# KiCad board dilemma.kicad_pcb (continued)
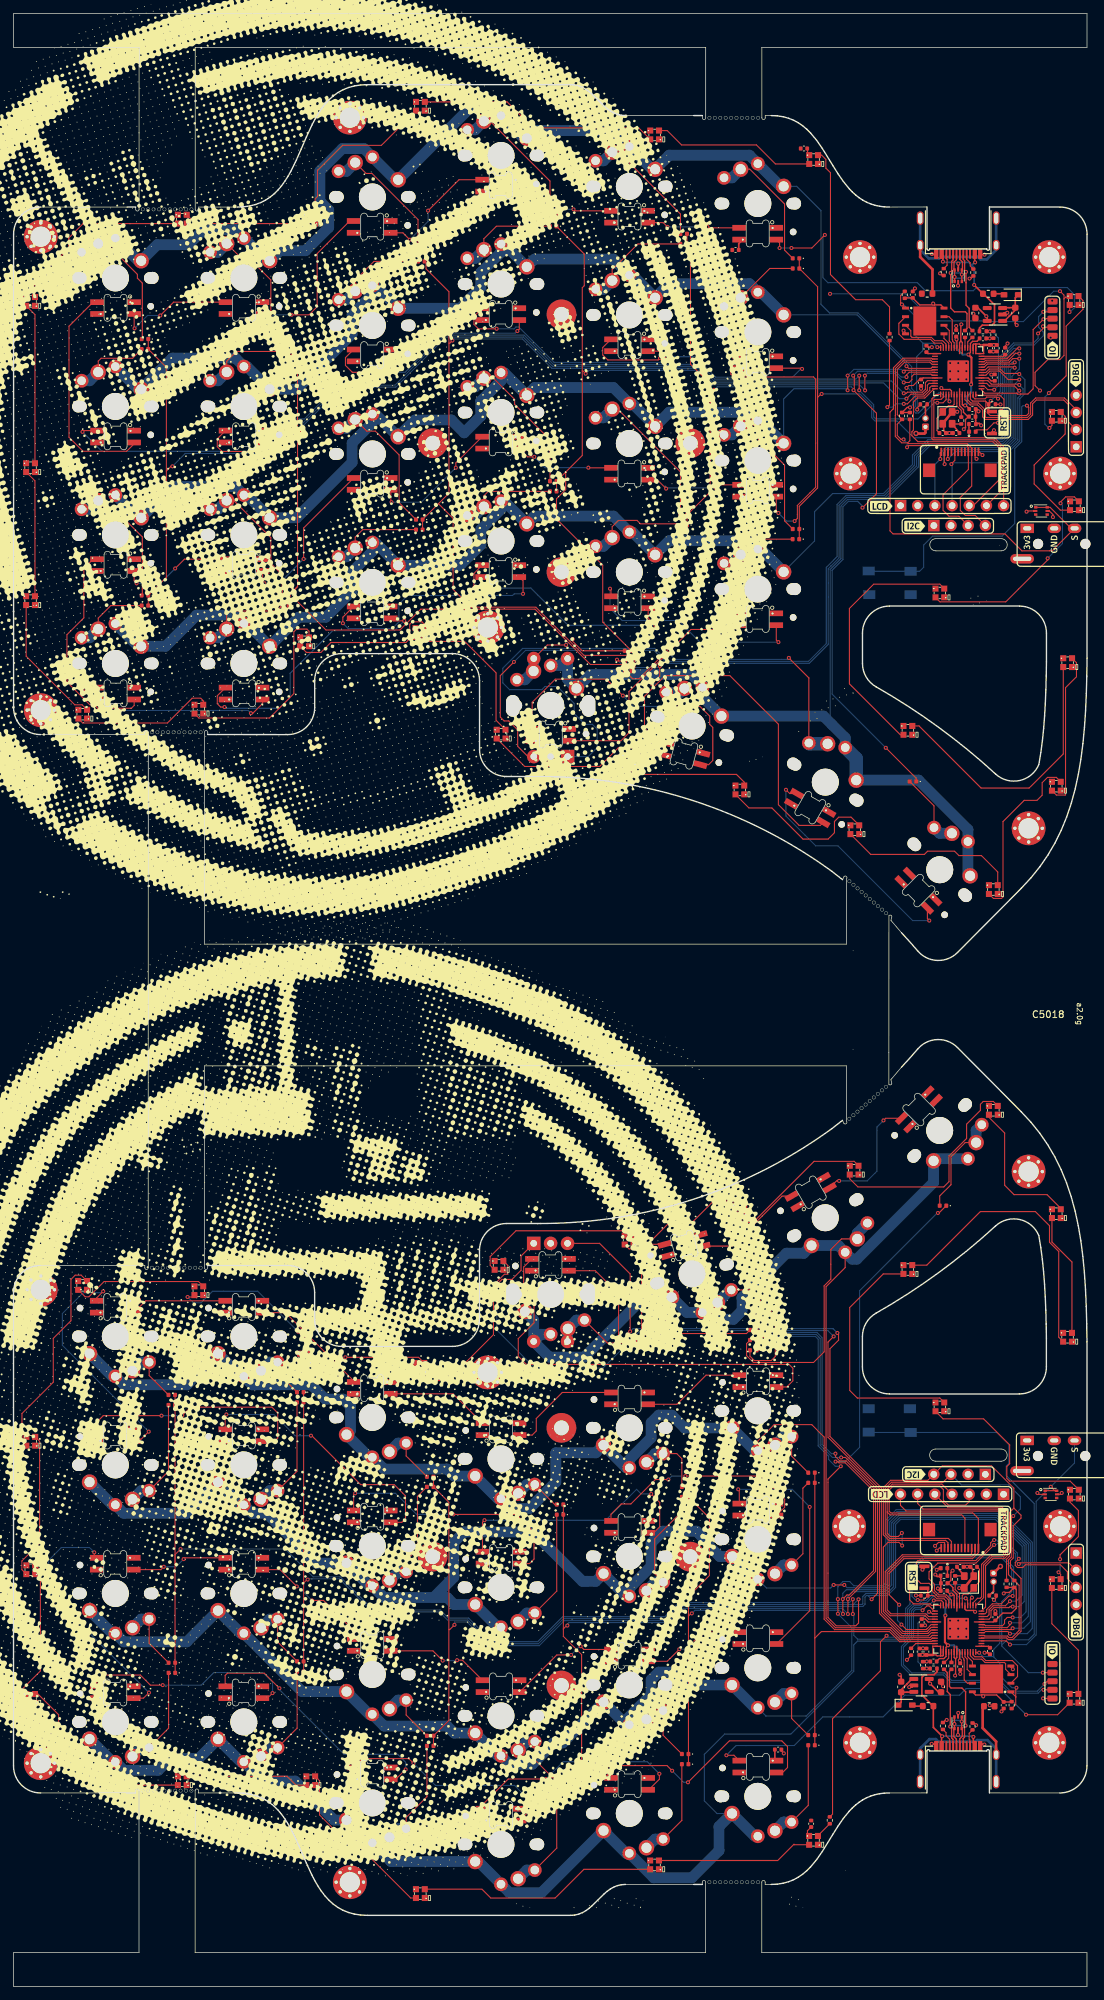
[diagram p0: board, top side]
## Routing (per net, layer and track width the routed paths; a pad name or vN(x,y) marks a point on that pad's centre or on a via; arc(x,y) is an arc through that point) (continued)
M_ROW4: length 191.5
  Top w0.16: 148.72,241.48 148.15,241.48 147.13,240.46 143.76,240.46 143.54,240.23 U1.39
  Bottom w0.16: SW117.1 118.45,213.74 118.45,218.07 121.12,220.74 128.63,220.74 132.92,225.03 132.92,226.44 135.19,228.7 146.11,228.7 146.79,229.38 146.79,240.69 147.57,241.48 148.72,241.48
  Bottom w1.6: SW5031.1 18.42,198.16 SW5031.1 22.47,198.16 27.08,202.77 32.81,202.77 SW103.1 34.51,201.52 SW103.1 42.17,202.46 46.17,202.46 50.07,206.36 50.07,209.2 53.06,212.19 SW106.1 53.51,213.5 SW106.1 66.04,210.14 69.1,213.19 69.1,215.42 72.09,218.41 SW109.1 72.54,219.62 SW109.1 77.04,217.4 88.71,217.4 SW114.1 91.51,215.05 SW114.1 96.96,213.77 108.81,213.77 SW117.1 110.51,212.52 SW117.1
  vias: v1(148.73,241.44)
M_ROW4_L: length 188.3
  Top w0.16: SW5019.1 110.05,80.65 112.47,83.07 118.04,83.07 119.86,81.24 119.86,54.31 121.42,52.76 129.64,52.76 131.13,51.27 135.61,51.27 135.83,51.5 U5002.39
  Bottom w1.6: SW5034.1 14.6,90.21 SW5034.1 16.3,88.96 25.63,88.96 SW5004.1 33.6,90.21 SW5004.1 35.3,88.96 44,88.96 46.13,86.84 48.75,86.84 49.82,85.77 49.82,82.18 SW5008.1 52.6,78.24 SW5008.1 54.79,76.51 64.13,76.51 65.16,75.47 SW5012.1 71.63,72.11 SW5012.1 73.53,70.67 76.28,70.67 80.19,74.58 80.19,78.91 86.1,78.91 SW5016.1 90.6,76.69 SW5016.1 91.05,77.9 94.28,81.12 94.28,83.35 95.41,84.48 97.34,84.48 99.24,82.57 SW5019.1 109.6,79.21 SW5019.1
M_ROW5: length 184.7
  Top w0.16: v1(138.4,234.37) 138.29,234.47 U1.18
  Bottom w0.16: v1(138.4,234.37) 137.16,235.61 136.8,235.61 133.84,232.65 133.42,232.65 133.12,232.95 133.12,233.37 133.34,233.59 133.34,235.73 132.8,236.27 132.8,239.52 124.88,247.45 120.67,247.45 119.4,248.72 119.4,262.57 115.81,266.16 SW5027.1
  Bottom w1.6: SW5027.1 113.42,266.16 108.81,270.77 96.96,270.77 SW5026.1 94.42,268.69 88.71,274.4 77.04,274.4 SW5025.1 75.45,273.26 70.84,277.87 67.61,277.87 SW5024.1 56.42,267.14 51.81,271.75 48.63,271.75 45.3,268.42 45.3,263.97 46.6,262.67 46.6,260.07 43.18,256.65 39.36,256.65 SW5023.1 37.42,255.16 32.81,259.77 28.1,259.77 25.86,257.53 21.24,257.53 SW5028.1 18.42,255.16 SW5028.1
M_ROW5_L: length 192.7
  Top w0.16: U5002.18 141.09,57.1 v1(140.79,57.39)
  Bottom w0.16: SW5039.1 104.02,25.57 102.15,27.44 102.15,34.32 105.15,37.32 114.95,37.32 124.25,46.62 124.25,50.52 124.8,51.07 131.68,51.07 132.5,51.88 132.5,55.66 133.18,56.34 134.03,56.34 134.47,56.78 135.07,56.78 135.93,57.64 136.2,57.64 137.03,58.47 138.88,58.47 139.96,57.39 v1(140.79,57.39)
  Bottom w1.6: SW5039.1 109.6,22.21 SW5039.1 104.32,23.65 104.32,20.09 100.3,16.07 94.67,16.07 SW5038.1 90.6,19.69 SW5038.1 78.06,13.86 73.33,13.86 SW5037.1 68.72,18.47 SW5037.1 55.82,18.47 SW5036.1 52.6,21.24 SW5036.1 47.42,24.6 41.65,30.37 36.9,30.37 SW5035.1 33.6,33.21 SW5035.1 27.37,33.7 23.13,33.7 21.4,31.96 16.3,31.96 SW5040.1 14.6,33.21 SW5040.1
NCS: length 27.2
  Top w0.16: 143.13,237.43 144.07,237.43 144.59,236.92 148.59,236.92 148.71,236.8 ; J113.3 138.15,226.87 138.15,225.83
  Bottom w0.16: 138.15,225.83 139.27,226.94 146.8,226.94 148.51,228.65 148.51,234.87 149.27,235.64 149.27,236.23 148.71,236.8
  vias: v1(138.15,225.85) v1(148.72,236.8)
NCS_L: length 28.3
  Top w0.16: J5007.3 141.68,64.04 141.46,63.83 131.43,63.83 128.9,61.3 128.9,55.55 129.63,54.82 134.79,54.82 135.31,54.3 U5002.32
QP_CS: length 27.8
  Top w0.16: U1.15 136.43,235.4 135.8,234.77 135.8,228.86 135.97,228.69 144.95,228.69 146.12,227.52 146.12,221.21 J3.6
QP_CS_L: length 31.4
  Top w0.16: U5002.15 143.44,57.49 143.44,62.3 144.69,63.54 146.39,63.54 146.68,63.83 146.68,69.98 146.07,70.59 134.51,70.59 133.69,71.41 J5004.6
QP_DC: length 33.5
  Top w0.16: J3.5 141.92,218.96 145.83,222.87 145.83,227.41 144.83,228.4 135.24,228.4 135.24,228.41 133.74,228.41 132.84,229.3 132.84,229.88 133.07,230.11 133.07,234.28 133.66,234.87 134.76,234.87 136.13,236.23 U1.14
QP_DC_L: length 29
  Top w0.16: U5002.14 143.73,56.11 143.73,62.18 144.81,63.26 146.51,63.26 146.97,63.72 146.97,70.1 146.18,70.88 138.13,70.88 J5004.5
QP_RST: length 27.1
  Top w0.16: J3.7 146.4,227.64 145.07,228.98 136.09,228.98 136.09,234.56 136.2,234.67 137.17,234.67 137.49,234.99 U1.16
QP_RST_L: length 34
  Top w0.16: J5004.7 131.15,71.13 131.98,70.31 145.95,70.31 146.39,69.86 146.39,63.95 146.27,63.83 144.57,63.83 143.16,62.42 143.16,57.61 142.94,57.4 142.55,57.4 141.89,56.74 U5002.16
RGB: length 58
  Top w0.16: v1(156.15,247.58) 156.18,247.61 D5109.3 ; D5117.3 113.28,257.79 v1(113.28,257.05) ; v1(115.03,257.05) 118.04,257.05 v1(119.97,258.98)
  Bottom w0.16: v1(119.97,258.98) 119.69,258.69 119.69,252.66 120.43,251.92 133.65,251.92 134.84,250.73 141.91,250.73 142.38,251.2 155.82,251.2 156.87,250.15 156.87,248.22 156.23,247.58 v1(156.15,247.58) ; v1(115.03,257.05) v1(113.28,257.05)
RGB_L: length 59.4
  Top w0.16: D5113.3 154.39,40.18 v1(149.72,40.18) ; D5128.3 106.53,34.18 v1(105.41,34.18)
  Bottom w0.16: v1(105.41,34.18) 106.85,35.63 115.44,35.63 119.67,39.86 128.59,39.86 131.81,43.08 139.91,43.08 140.88,44.05 145.85,44.05 v1(149.72,40.18)
SCL: length 43.8
  Top w0.16: U1.5 135.85,239.83 135.51,240.17 131.76,240.17 130.69,239.1 130.69,232.42 131.39,231.72 R104.2 130.68,230.99 130.68,229.32 131.25,228.74 v1(131.61,228.74) ; v1(132.13,227.59) 132.37,227.83 140.91,227.83 141.19,227.56 J113.9 141.19,224.3 137.45,220.56 137.45,218.27 138.33,217.39 139.79,217.39 O101.3
  Bottom w0.16: v1(132.13,227.59) 132.13,228.22 v1(131.61,228.74)
SCL_L: length 67.4
  Top w0.16: J5007.9 138.68,65.8 138.24,66.25 129.56,66.25 128.9,66.9 128.9,73.63 129.83,74.56 137.45,74.56 O5001.3 ; v1(147.83,69.57) 147.54,69.28 147.54,63.48 147.13,63.07 147.13,60.89 R5014.2 147.99,60.02 148.69,59.32 148.69,52.64 147.64,51.58 147.21,51.58 146.98,51.82 143.62,51.82 143.54,51.9 U5002.5
  Bottom w0.16: v1(147.83,69.57) 148.88,70.62 148.88,72.41 147.12,74.17 140.18,74.17 O5001.3
SDA: length 46.7
  Top w0.16: 132.22,228.23 132.34,228.12 141.03,228.12 141.69,227.46 J113.10 141.69,221.86 140,220.17 140,218.25 140.75,217.5 142.22,217.5 O101.4 ; 132.22,228.23 131.36,228.23 130.39,229.2 130.39,232.29 130.4,232.3 130.4,239.22 131.65,240.46 133.56,240.46 133.57,240.46 135.62,240.46 135.85,240.23 U1.4 ; 132.22,228.23 132.54,228.55 R103.1
SDA_L: length 80.3
  Top w0.16: 147.92,70.74 148.98,69.67 148.98,69.26 147.83,68.11 147.83,63.36 147.42,62.95 147.42,61.89 148.98,60.32 148.98,52.52 147.76,51.3 147.09,51.3 146.86,51.53 143.15,51.53 U5002.4 ; 147.92,70.74 147.92,73.68 144.62,76.98 137.33,76.98 O5001.4 135.2,74.84 129.71,74.84 128.62,73.75 128.62,66.79 129.44,65.96 137.83,65.96 138.18,65.61 J5007.10 ; 147.92,70.74 147.25,70.07 147.25,63.6 146.84,63.19 R5013.1
SERIAL: length 68.1
  Top w0.16: U1.3 135.86,240.63 135.74,240.75 133.78,240.75 133.77,240.75 131.53,240.75 130.12,239.33 130.12,233.26 130.08,233.26 129.61,232.78 129.61,215.22 130.05,214.77 146.6,214.77 149.11,212.27 153.15,212.27 153.17,212.29 153.59,212.29 J102.R2 156.39,215.6 153.28,218.71 U5005.6 U5005.1
SERIAL_L: length 42.8
  Top w0.16: U5006.1 U5006.6 153.96,73.31 v1(153.38,73.89) ; U5002.3 146.79,51.1 v1(147.35,50.55)
  Bottom w0.16: v1(147.35,50.55) 149.78,50.55 151.21,51.98 151.21,71.72 v1(153.38,73.89) 156.89,77.4 J5003.R2
UNDER_RGB: length 18.5
  Top w0.16: v1(129.22,233.52) 129.53,233.83 129.53,243.35 R5016.1 ; U1.13 135.71,236.63 135.48,236.4 135.48,235.99 134.64,235.15 133.33,235.15 132.18,234 v1(131.64,234)
  Bottom w0.16: v1(131.64,234) 130.44,234 129.96,233.52 v1(129.22,233.52)
UNDER_RGB_L: length 70.3
  Top w0.16: R5015.1 121.11,25.49 121.11,39.6 128.19,46.68 128.19,50.95 v1(129.1,51.86) ; U5002.13 143.67,55.1 143.9,55.33 143.9,55.74 144.74,56.58 146.05,56.58 147.2,57.74 v1(147.74,57.74)
  Bottom w0.16: v1(129.1,51.86) 129.32,51.64 131.45,51.64 131.92,52.12 131.92,55.9 132.57,56.54 132.57,61.63 134.61,63.67 146.2,63.67 147.88,61.98 147.88,57.88 v1(147.74,57.74)
Net-(C4-Pad1): length 3.1
  Top w0.2: 140.19,231.02 138.83,231.02
  Top w0.25: Y1.3 C4.1
Net-(C5008-Pad1): length 3.1
  Top w0.2: 139.19,60.71 140.55,60.71
  Top w0.25: Y5001.3 C5008.1
Net-(D1-K): length 1.1
  Top w0.2: 141.28,231.11 141.28,230.01 141.31,229.99
Net-(D2-A): length 1.6
  Top w0.25: F1.2 146.32,250.28 D2.2
Net-(D3-DIN): length 33.4
  Top w0.16: D3.1 119.49,270.78 120.12,270.15 120.12,268.86 120.8,268.18 120.8,253.13 124.53,249.4 128.47,249.4 129.54,248.33 R5016.2
Net-(D3-DOUT): length 24.3
  Top w0.16: D3.3 112.66,269.48 109.85,272.29 98.78,272.29 96.66,274.41 D7.1
Net-(D4-DOUT): length 23.1
  Top w0.16: D4.3 60.1,198.89 66.69,198.89 71.35,194.23 71.35,187.22 D8.1
Net-(D11-DIN): length 35.6
  Top w0.16: D7.3 92.46,274.8 76.84,274.8 72.99,278.65 D11.1
Net-(D11-DOUT): length 24.9
  Top w0.16: D11.3 54.4,272.23 48.66,272.23 44.96,268.53 44.96,264.68 44.61,264.33 D15.1
Net-(D12-DIN): length 24
  Top w0.16: D12.1 91.68,182.8 91.29,183.19 89.47,183.19 86.67,180.39 75.58,180.39 D8.3
Net-(D12-DOUT): length 19.3
  Top w0.16: D9.1 108.05,178.06 106.9,179.22 91.89,179.22 D12.3
Net-(D15-DOUT): length 18.2
  Top w0.16: D15.3 26.91,260.66 D5110.1
Net-(D16-DIN): length 23.9
  Top w0.16: D16.1 123.84,172.9 122.03,172.9 121.39,172.26 121.39,170.59 120.45,169.65 116.74,169.65 112.13,174.26 108.75,174.26 106.75,176.25 D9.3
Net-(D16-DOUT): length 26.4
  Top w0.16: D19.1 145.54,164.79 143.12,167.21 139.8,167.21 139.15,167.86 135.16,167.86 134.69,167.39 126.75,167.39 D16.3
Net-(D18-DIN): length 27.8
  Top w0.16: D18.1 3.17,252.04 8.17,257.04 8.17,258.5 8.15,258.52 10.29,260.66 D5110.3
Net-(D18-DOUT): length 23.8
  Top w0.16: D18.3 3.17,247.2 D5111.1
Net-(D19-DOUT): length 26.2
  Top w0.16: D22.1 154.19,178.77 152.89,178.77 152.1,177.98 152.1,176.14 151.34,175.38 149.45,175.38 146.31,172.24 146.31,161.1 146.09,160.88 144.9,160.88 D19.3
Net-(D21-DIN): length 18.9
  Top w0.16: D21.1 3.17,222.62 D5111.3
Net-(D21-DOUT): length 19.9
  Top w0.16: D24.1 10.14,189.51 9.06,189.51 1.87,196.7 D21.3
Net-(D22-DOUT): length 23.4
  Top w0.16: D5138.1 157.18,195.73 157.18,193.64 155.56,192.03 155.56,176.21 155.51,176.16 154.21,176.16 D22.3
Net-(D24-DOUT): length 21.1
  Top w0.16: D5112.1 28.06,189.99 28.12,190.05 27.69,190.48 26.41,190.48 22.75,186.81 10.24,186.81 D24.3
Net-(D25-DIN): length 32.3
  Top w0.16: D25.1 156.87,220.24 155.57,220.24 154.82,219.49 v1(154.82,219.31) ; D5140.3 136.99,204.73 146.72,204.73 152.92,210.93 v1(152.92,211.17)
  Bottom w0.16: v1(154.82,219.31) 155.11,219.02 155.11,213.35 v1(152.92,211.17)
Net-(D25-DOUT): length 19.7
  Top w0.16: D28.1 155.51,232.15 155.51,229.55 150.92,224.97 150.92,222.16 154.79,218.29 D25.3
Net-(D27-DIN): length 29.1
  Top w0.16: D5112.3 27.42,187.55 37.84,187.55 41.45,191.16 41.45,200.3 41.85,200.7 43.38,200.7 43.69,200.39 D27.1
Net-(D27-DOUT): length 22.6
  Top w0.16: D4.1 60.74,201.43 60.39,201.78 58.95,201.78 58.59,201.42 58.59,199.29 58.02,198.72 46.92,198.72 45.45,197.25 43.31,197.25 D27.3
Net-(D28-DOUT): length 23.7
  Top w0.16: D5109.1 158.14,249.28 158.14,247.98 155.65,245.49 155.65,238.15 v1(153.1,235.6) ; v1(153.18,230.44) 153.55,230.81 D28.3
  Bottom w0.16: v1(153.18,230.44) 153.07,230.44 152.5,231.01 152.5,235 v1(153.1,235.6)
Net-(D112-A): length 15.4
  Top w0.16: D112.2 98.41,216.27 92.7,216.27 92.2,216.77 89.45,216.77 88.52,215.84 SW114.2
  Bottom w1.6: SW114.2 87.24,212.95 SW114.2
Net-(D115-A): length 12.4
  Top w0.16: D115.2 108.52,213.99 107.52,212.99 SW117.2
  Bottom w1.6: SW117.2 106.24,210.42 SW117.2
Net-(D5001-K): length 1.1
  Top w0.2: 138.07,61.75 138.1,61.72 138.1,60.63
Net-(D5002-A): length 10.4
  Top w0.16: SW5002.2 39.05,50.94 D5002.2
  Bottom w1.6: SW5002.2 37.87,54.31 SW5002.2
Net-(D5003-A): length 8.6
  Top w0.16: 41.91,87.87 39.05,90.73 SW5004.2
  Bottom w1.6: SW5004.2 37.87,92.31 SW5004.2
Net-(D5004-A): length 1.6
  Top w0.25: D5004.2 133.06,41.46 F5001.2
Net-(D5005-A): length 9.5
  Top w0.16: SW5006.2 58.05,40.14 D5005.2
  Bottom w1.6: SW5006.2 56.87,42.34 SW5006.2
Net-(D5006-A): length 9.2
  Top w0.16: D5006.2 58.05,78.44 SW5008.2
  Bottom w1.6: SW5008.2 56.87,80.34 SW5008.2
Net-(D5007-A): length 10.3
  Top w0.16: SW5010.2 77.08,33.52 D5007.2
  Bottom w1.6: SW5010.2 75.9,36.21 SW5010.2
Net-(D5008-A): length 7.5
  Top w0.16: SW5012.2 80.02,71.27 D5008.2
  Bottom w1.6: SW5012.2 75.9,74.21 SW5012.2
Net-(D5009-A): length 10.2
  Top w0.16: SW5016.2 98.07,78.79 98.83,78.03 D5009.2
  Bottom w1.6: SW5016.2 94.87,78.79 SW5016.2
Net-(D5010-A): length 10.6
  Top w0.16: SW5014.2 96.05,37.14 D5010.2
  Bottom w1.6: SW5014.2 94.87,40.79 SW5014.2
Net-(D5011-A): length 9.4
  Top w0.16: SW5019.2 115.05,78.43 D5011.2
  Bottom w1.6: SW5019.2 113.87,81.31 SW5019.2
Net-(D5012-A): length 10.2
  Top w0.16: D5012.2 115.05,39.63 SW5017.2
  Bottom w1.6: SW5017.2 113.87,43.31 SW5017.2
Net-(D5013-DIN): length 2.5
  Top w0.16: D5013.1 118.95,22.31 R5015.2
Net-(D5013-DOUT): length 23.2
  Top w0.16: D5013.3 115.47,20.96 115.4,21.03 113,18.63 D5016.1
Net-(D5014-DIN): length 20
  Top w0.16: v1(43.38,91.16) 43.38,91.26 D5028.3 ; D5014.1 59.89,93.03 v1(49.07,93.03)
  Bottom w0.16: v1(43.38,91.16) 47.2,91.16 v1(49.07,93.03)
Net-(D5014-DOUT): length 27.2
  Top w0.16: D5017.1 73.1,106.61 73.1,105.31 72.59,105.31 71.19,103.91 71.19,103.41 70.97,103.19 70.97,96.38 64.18,89.59 60.73,89.59 D5014.3
Net-(D5015-A): length 11.3
  Top w0.16: D5015.2 136.11,174.57 SW5041.2
  Bottom w1.6: SW5041.2 136.95,170.51 SW5041.2
Net-(D5016-DOUT): length 35.6
  Top w0.16: D5016.3 84.34,17.33 80.09,13.08 70.57,13.08 69.26,14.38 D5018.1
Net-(D5017-DOUT): length 25.3
  Top w0.16: D5019.1 90.94,111.74 74.3,111.74 70.48,107.92 70.48,106.62 D5017.3
Net-(D5018-DOUT): length 25.3
  Top w0.16: D5018.3 58.72,13.08 49.15,22.66 47.96,22.66 45.26,25.36 45.26,30.42 D5020.1
Net-(D5019-DOUT): length 21.1
  Top w0.16: D5021.1 107.39,116.13 103.5,116.13 100.17,112.8 96.82,112.8 93.08,109.05 91.03,109.05 D5019.3
Net-(D5020-DOUT): length 18.2
  Top w0.16: D5020.3 41.75,29.78 40.45,31.08 D5114.1
Net-(D5021-DOUT): length 22.7
  Top w0.16: D5023.1 124.95,121.36 124.31,122 118.38,122 109.35,112.97 107.95,112.97 D5021.3
Net-(D5022-DIN): length 28.1
  Top w0.16: D5114.3 14.64,29.78 6.67,37.75 6.67,40.18 3.61,43.24 D5022.1
Net-(D5022-DOUT): length 22.4
  Top w0.16: D5022.3 0.76,43.04 0.76,43.44 3.97,46.65 3.97,61.5 D5115.1
Net-(D5023-DOUT): length 32.5
  Top w0.16: D5023.3 123.65,119.44 124.87,118.22 137.55,118.22 138.33,119 138.33,122.79 140.93,125.39 140.93,127.5 142.97,129.54 142.97,130.44 143.39,130.85 144.88,130.85 D5025.1
Net-(D5024-DIN): length 30.8
  Top w0.16: D5024.1 9.99,105.18 9.12,105.18 8.49,104.55 8.49,98.44 5.88,95.83 5.88,89.35 1.24,84.71 1.24,80.62 D5116.3
Net-(D5024-DOUT): length 20.1
  Top w0.16: D5026.1 27.35,104.23 13.39,104.23 11.14,101.98 10.59,101.98 D5024.3
Net-(D5025-DOUT): length 21.2
  Top w0.16: D5025.3 144.24,128.51 146.56,126.19 146.56,118.47 147.95,117.08 152.83,117.08 154.85,115.06 D5027.1
Net-(D5026-DOUT): length 24.9
  Top w0.16: D5026.3 26.47,101.95 v1(25.74,101.95) ; D5028.1 43.02,94.22 43.02,95.88 v1(42.09,96.81)
  Bottom w0.16: v1(25.74,101.95) 26.6,101.09 27.72,101.09 29.43,102.8 36.1,102.8 v1(42.09,96.81)
Net-(D5027-DOUT): length 18.2
  Top w0.16: D5027.3 153.55,110.08 156.51,107.12 D5141.1
Net-(D5029-DIN): length 29.5
  Top w0.16: D5143.3 137.45,83.93 143.44,83.93 147.3,80.07 147.3,77.3 146.88,76.88 146.88,75.12 147.28,74.72 156.25,74.72 D5029.1
Net-(D5029-DOUT): length 13.8
  Top w0.16: v1(154.75,63.18) 154.75,63.82 157.47,66.54 157.47,70.37 156.22,71.62 D5029.3 ; D5030.1 154.84,60.94 v1(154.53,61.25)
  Bottom w0.16: v1(154.75,63.18) 154.75,61.47 v1(154.53,61.25)
Net-(D5030-DOUT): length 17.3
  Top w0.16: D5113.1 157.46,49.71 153.54,53.64 D5030.3
Net-(D5031-DIN): length 38.4
  Top w0.16: D5034.1 87.13,242.34 87.13,241.24 87.87,240.49 95.33,240.49 v1(95.6,240.77) ; v1(116.6,239.17) 116.48,239.28 D5031.3
  Bottom w0.16: v1(95.6,240.77) 95.81,240.97 100.8,240.97 103.82,237.95 115.2,237.95 116.41,239.17 v1(116.6,239.17)
Net-(D5031-DOUT): length 43.7
  Top w0.16: v1(113.1,217.87) 112.79,218.18 112.79,220.28 ; v1(115.5,216.67) 115.91,217.07 115.91,218.98 118.61,221.69 118.61,237.65 118.28,237.98 106.48,237.98 106.08,238.39 106.08,239.83 D5031.1
  Bottom w0.16: v1(113.1,217.87) 114.3,216.67 v1(115.5,216.67)
Net-(D5032-DIN): length 14.2
  Top w0.16: v1(103.8,221.57) 104.26,222.03 107.29,222.03 ; v1(96.5,221.47) 95.17,222.79 D5032.3
  Bottom w0.16: v1(103.8,221.57) 96.6,221.57 v1(96.5,221.47)
Net-(D5032-DOUT): length 14.7
  Top w0.16: v1(85,224.57) 85.02,224.54 D5032.1 ; D5046.3 76.01,226.17 v1(77,226.17)
  Bottom w0.16: v1(77,226.17) 78.6,224.57 v1(85,224.57)
Net-(D5033-DIN): length 53.1
  Top w0.16: D5048.1 95.6,183.77 93.3,186.07 93.3,190.77 96.35,193.82 105.92,193.82 113.1,186.64 113.1,174.74 116.16,171.68 119.3,171.68 D5033.3
Net-(D5033-DOUT): length 35.3
  Top w0.16: D5033.1 114.77,176.39 v1(114.22,176.94) ; D5127.3 135.14,157.87 v1(135.41,157.6)
  Bottom w0.16: v1(135.41,157.6) 132.96,157.6 121.91,168.65 118.62,168.65 114.22,173.05 v1(114.22,176.94)
Net-(D5034-DIN): length 37.8
  Top w0.16: D5036.1 68.08,246.94 68.08,245.76 68.75,245.09 71.42,245.09 v1(71.44,245.11) ; v1(96.8,240.47) 95.47,241.79 93.84,241.79
  Bottom w0.16: v1(96.8,240.47) 96.46,240.13 79.94,240.13 74.71,245.37 74.3,245.37 74.03,245.09 71.45,245.09 v1(71.44,245.11)
Net-(D5036-DIN): length 33
  Top w0.16: D5036.3 74.79,245.06 v1(74.5,244.77) ; v1(53.1,238.67) 50.1,238.67 49.08,239.69 49.08,240.84 D5038.1
  Bottom w0.16: v1(74.5,244.77) 74.19,244.45 63.68,244.45 57.89,238.67 v1(53.1,238.67)
Net-(D5037-DIN): length 33.7
  Top w0.16: v1(113.1,198.77) 112.79,199.08 112.79,201.28 ; v1(88.2,206.67) 88.34,206.53 D5039.1
  Bottom w0.16: v1(88.2,206.67) 88.2,203.76 90,201.97 98.3,201.97 101.5,198.77 v1(113.1,198.77)
Net-(D5037-DOUT): length 36.5
  Top w0.16: D5037.1 104.9,200.64 100.18,200.64 91,191.47 91,185.37 89.82,184.19 D5047.3
Net-(D5038-DIN): length 36.5
  Top w0.16: 55.79,240.29 55.79,240.26 v1(53.4,237.87) ; v1(41.2,231.77) 41.71,231.25 41.71,229.38 39.3,226.97 30.82,226.97 30.13,227.66 30.13,228.84 D5040.1
  Bottom w0.16: v1(53.4,237.87) 52.59,237.05 48.28,237.05 42.99,231.77 v1(41.2,231.77)
Net-(D5039-DIN): length 35.9
  Top w0.16: v1(94.9,201.27) 93.84,202.33 D5039.3 ; v1(68.1,206.77) 68.08,206.79 68.08,208.94 69.29,210.14
  Bottom w0.16: v1(68.1,206.77) 76.5,206.77 82,201.27 v1(94.9,201.27)
Net-(D5040-DIN): length 34.5
  Top w0.16: D5123.1 10.37,230.04 v1(10.2,229.87) ; v1(38.79,227.88) 38.37,228.29 36.84,228.29
  Bottom w0.16: v1(38.79,227.88) 37.91,226.99 13.07,226.99 v1(10.2,229.87)
Net-(D5041-DIN): length 36.5
  Top w0.16: v1(75.34,205.91) 75.34,207.84 D5041.3 ; D5043.1 48.7,202.45 v1(48.7,201.57)
  Bottom w0.16: v1(48.7,201.57) 49.5,200.77 55.99,200.77 56.99,201.77 56.99,204.39 58.27,205.67 73.8,205.67 74.04,205.91 v1(75.34,205.91)
Net-(D5042-DIN): length 24.3
  Top w0.16: v1(37.1,207.47) 36.84,207.73 D5042.3 ; v1(42.9,211.07) 42.9,215.65 D5044.1
  Bottom w0.16: v1(42.9,211.07) 39.3,207.47 v1(37.1,207.47)
Net-(D5042-DOUT): length 16.6
  Top w0.16: D5124.3 17.84,207.83 v1(18.2,207.47) ; v1(23.9,209.67) 25.27,211.04 D5042.1
  Bottom w0.16: v1(23.9,209.67) 21.7,207.47 v1(18.2,207.47)
Net-(D5043-DIN): length 40.4
  Top w0.16: D5045.1 30.13,190.84 30.13,189.66 30.62,189.17 v1(31.2,189.17) ; v1(57.77,201.92) 56.16,201.92 D5043.3
  Bottom w0.16: v1(57.77,201.92) 56.32,200.47 47.2,200.47 40.9,194.17 40.9,190.57 39.33,188.99 31.38,188.99 v1(31.2,189.17)
Net-(D5044-DIN): length 19.7
  Top w0.16: v1(65.4,224.57) 65.4,225.25 D5046.1 ; D5044.3 55.79,219.58 v1(55.9,219.47)
  Bottom w0.16: v1(55.9,219.47) 60.3,219.47 v1(65.4,224.57)
Net-(D5045-DIN): length 31.1
  Top w0.16: D5125.1 10.57,192.04 v1(10.4,191.87) ; v1(35.1,188.27) 35.4,188.27 36.84,189.71 D5045.3
  Bottom w0.16: v1(10.4,191.87) 13.6,188.67 34.7,188.67 v1(35.1,188.27)
Net-(D5047-DOUT): length 42.7
  Top w0.16: 76.69,185.94 76.69,189.87 80.11,193.3 87.67,193.3 v1(90.1,190.87) ; D5048.3 102.79,180.66 103.4,181.27 103.4,186.17 102.95,186.62 102.95,187.82 101.5,189.27 v1(97.1,189.27)
  Bottom w0.16: v1(97.1,189.27) 91.7,189.27 v1(90.1,190.87)
Net-(D5049-DIN): length 15.3
  Top w0.16: v1(98.45,49.87) 96.66,48.08 D5052.1 ; D5049.3 102.22,52.39 v1(100.85,51.02)
  Bottom w0.16: v1(98.45,49.87) 99.7,49.87 v1(100.85,51.02)
Net-(D5049-DOUT): length 36.1
  Top w0.16: D5049.1 117.73,55.55 v1(117.73,70.91) ; D5053.3 107.32,73.35 v1(107.16,73.51)
  Bottom w0.16: v1(107.16,73.51) 115.13,73.51 v1(117.73,70.91)
Net-(D5050-DIN): length 33.3
  Top w0.16: D5053.1 114.03,70.85 114.03,72.02 110.58,75.47 v1(99.34,75.47) ; v1(96.83,74.96) 94.9,74.96 91.29,71.35 89.87,71.35 88.34,69.82 D5050.3
  Bottom w0.16: v1(96.83,74.96) 97.34,75.47 v1(99.34,75.47)
Net-(D5050-DOUT): length 39.1
  Top w0.16: D5064.3 69.34,68.64 v1(69.64,68.94) ; D5050.1 94.66,67.08 95.56,67.98 95.56,71.56 v1(94.29,72.83)
  Bottom w0.16: v1(69.64,68.94) 87.56,68.94 92.13,73.51 92.81,72.83 v1(94.29,72.83)
Net-(D5051-DIN): length 16.1
  Top w0.16: D5066.1 106.25,109.47 113.64,116.86 D5051.3
Net-(D5051-DOUT): length 18.7
  Top w0.16: v1(128.64,128.05) 128.96,128.37 D5137.3 ; v1(122.08,119.11) 121.7,119.11 D5051.1
  Bottom w0.16: v1(128.64,128.05) 127.67,127.08 127.67,120.54 126.24,119.11 v1(122.08,119.11)
Net-(D5052-DIN): length 16.5
  Top w0.16: v1(83.86,50.31) 84.34,49.83 D5052.3 ; D5054.1 80.33,49.02 v1(82.44,49.02)
  Bottom w0.16: v1(83.86,50.31) 83.73,50.31 v1(82.44,49.02)
Net-(D5054-DIN): length 15.4
  Top w0.16: v1(65.59,48.25) 66.38,48.25 D5054.3 ; D5056.1 62.01,49.63 v1(63.46,48.18)
  Bottom w0.16: v1(63.46,48.18) 65.52,48.18 v1(65.59,48.25)
Net-(D5055-DIN): length 15.3
  Top w0.16: D5055.3 102.4,90.39 98.09,86.08 D5057.1
Net-(D5055-DOUT): length 62.5
  Top w0.16: D5065.3 75.44,106.37 75.44,103.16 76.97,101.63 76.97,98.14 74.63,95.8 74.63,93.18 75.84,91.98 114.68,91.98 115.24,91.42 115.24,89.55 114.33,88.64 D5055.1
Net-(D5056-DIN): length 18.5
  Top w0.16: D5058.1 39.4,61.63 v1(41.88,59.15) ; v1(44.11,57.09) 45.83,57.09 50.29,52.62 D5056.3
  Bottom w0.16: v1(44.11,57.09) 42.05,59.15 v1(41.88,59.15)
Net-(D5057-DIN): length 17.2
  Top w0.16: D5059.1 76.69,81.53 77.3,82.14 77.3,83.99 81.14,87.83 D5057.3
Net-(D5058-DIN): length 14.2
  Top w0.16: D5058.3 25.35,63.38 v1(25.16,63.19) ; v1(22.22,62.06) 21.79,61.63 D5134.1
  Bottom w0.16: v1(25.16,63.19) 24.03,62.06 v1(22.22,62.06)
Net-(D5059-DIN): length 15.4
  Top w0.16: D5061.1 64.99,87.63 D5059.3
Net-(D5060-DIN): length 39.5
  Top w0.16: v1(43.98,81.44) 44.1,81.44 51.34,74.2 56.3,74.2 57.96,72.54 57.96,69.17 57.42,68.63 D5062.1 ; D5060.3 31.29,84.4 v1(31.47,84.58)
  Bottom w0.16: v1(43.98,81.44) 41.64,81.44 38.5,84.58 v1(31.47,84.58)
Net-(D5060-DOUT): length 35.3
  Top w0.16: v1(21.88,84.4) 13.26,84.4 12.25,83.39 12.29,83.34 D5135.3 ; v1(24.95,84.43) 26.18,85.66 38.21,85.66 39.07,84.8 39.07,81.1 38.6,80.63 D5060.1
  Bottom w0.16: v1(21.88,84.4) 24.92,84.4 v1(24.95,84.43)
Net-(D5061-DIN): length 17.8
  Top w0.16: D5063.1 40.21,99.63 50.29,89.54 D5061.3
Net-(D5062-DIN): length 37.8
  Top w0.16: v1(65.03,69.81) 65.04,69.8 74.34,69.8 76.97,67.17 76.97,63.2 76.3,62.53 D5064.1 ; D5062.3 50.29,72.7 v1(50.52,72.93)
  Bottom w0.16: v1(50.52,72.93) 56.48,72.93 59.6,69.81 v1(65.03,69.81)
Net-(D5063-DIN): length 14.2
  Top w0.16: D5136.1 19.54,101.38 D5063.3
Net-(D5065-DOUT): length 35.1
  Top w0.16: D5066.3 94.17,109.74 92.88,108.45 92.88,96.21 92.1,95.43 90.45,95.43 89.47,96.41 89.47,102.39 86.03,105.83 D5065.1
Net-(D5067-A): length 13.4
  Top w0.16: SW101.2 31.52,240.32 32.95,241.75 D5067.2
  Bottom w1.6: SW101.2 30.24,237.42 SW101.2
Net-(D5068-A): length 21
  Top w0.16: SW102.2 32.57,219.7 38.05,214.22 38.05,210.41 39.72,208.73 D5068.2
  Bottom w1.6: SW102.2 30.24,218.42 SW102.2
Net-(D5069-A): length 13.9
  Top w0.16: SW103.2 31.52,202.89 32,203.37 38.9,203.37 D5069.2
  Bottom w1.6: SW103.2 30.24,199.42 SW103.2
Net-(D5070-A): length 16.8
  Top w0.16: v1(95.56,195.23) 95.56,193.74 v1(94.41,192.59) ; v1(89.23,196.18) 89.41,195.99 D5070.2
  Bottom w0.16: v1(95.56,195.23) 95.34,195.01 90.4,195.01 v1(89.23,196.18) ; v1(94.41,192.59) 95.24,192.59 SW118.2
  Bottom w1.6: SW118.2 98.6,191.33 SW118.2
Net-(D5071-A): length 15
  Top w0.16: SW104.2 50.52,252.29 53.3,255.07 59.81,255.07
  Bottom w1.6: SW104.2 49.24,249.4 SW104.2
Net-(D5072-A): length 22.2
  Top w0.16: SW105.2 52.23,229.97 53.5,229.97 57.01,226.45 57.01,219.4 D5072.2
  Bottom w1.6: SW105.2 49.24,230.4 SW105.2
Net-(D5073-A): length 14.1
  Top w0.16: SW106.2 50.52,214.29 51.63,215.4 D5073.2
  Bottom w1.6: SW106.2 49.24,211.4 SW106.2
Net-(D5074-A): length 44
  Top w0.16: v1(114.65,196.44) 117.61,193.48 SW119.2 ; v1(96.44,197.63) 96.44,197.32 92.49,193.37 91.52,193.37 D5074.2
  Bottom w0.16: v1(114.65,196.44) 114.43,196.22 97.81,196.22 96.44,197.59 v1(96.44,197.63)
  Bottom w2: SW119.2 117.73,183.74 SW119.2
Net-(D5075-A): length 15.1
  Top w0.16: SW107.2 69.55,258.42 71.4,260.27 79.31,260.27
  Bottom w1.6: SW107.2 68.27,255.52 SW107.2
